# Altium PCB CC_V1.4.PcbDoc (part 6 of 8) (continued)
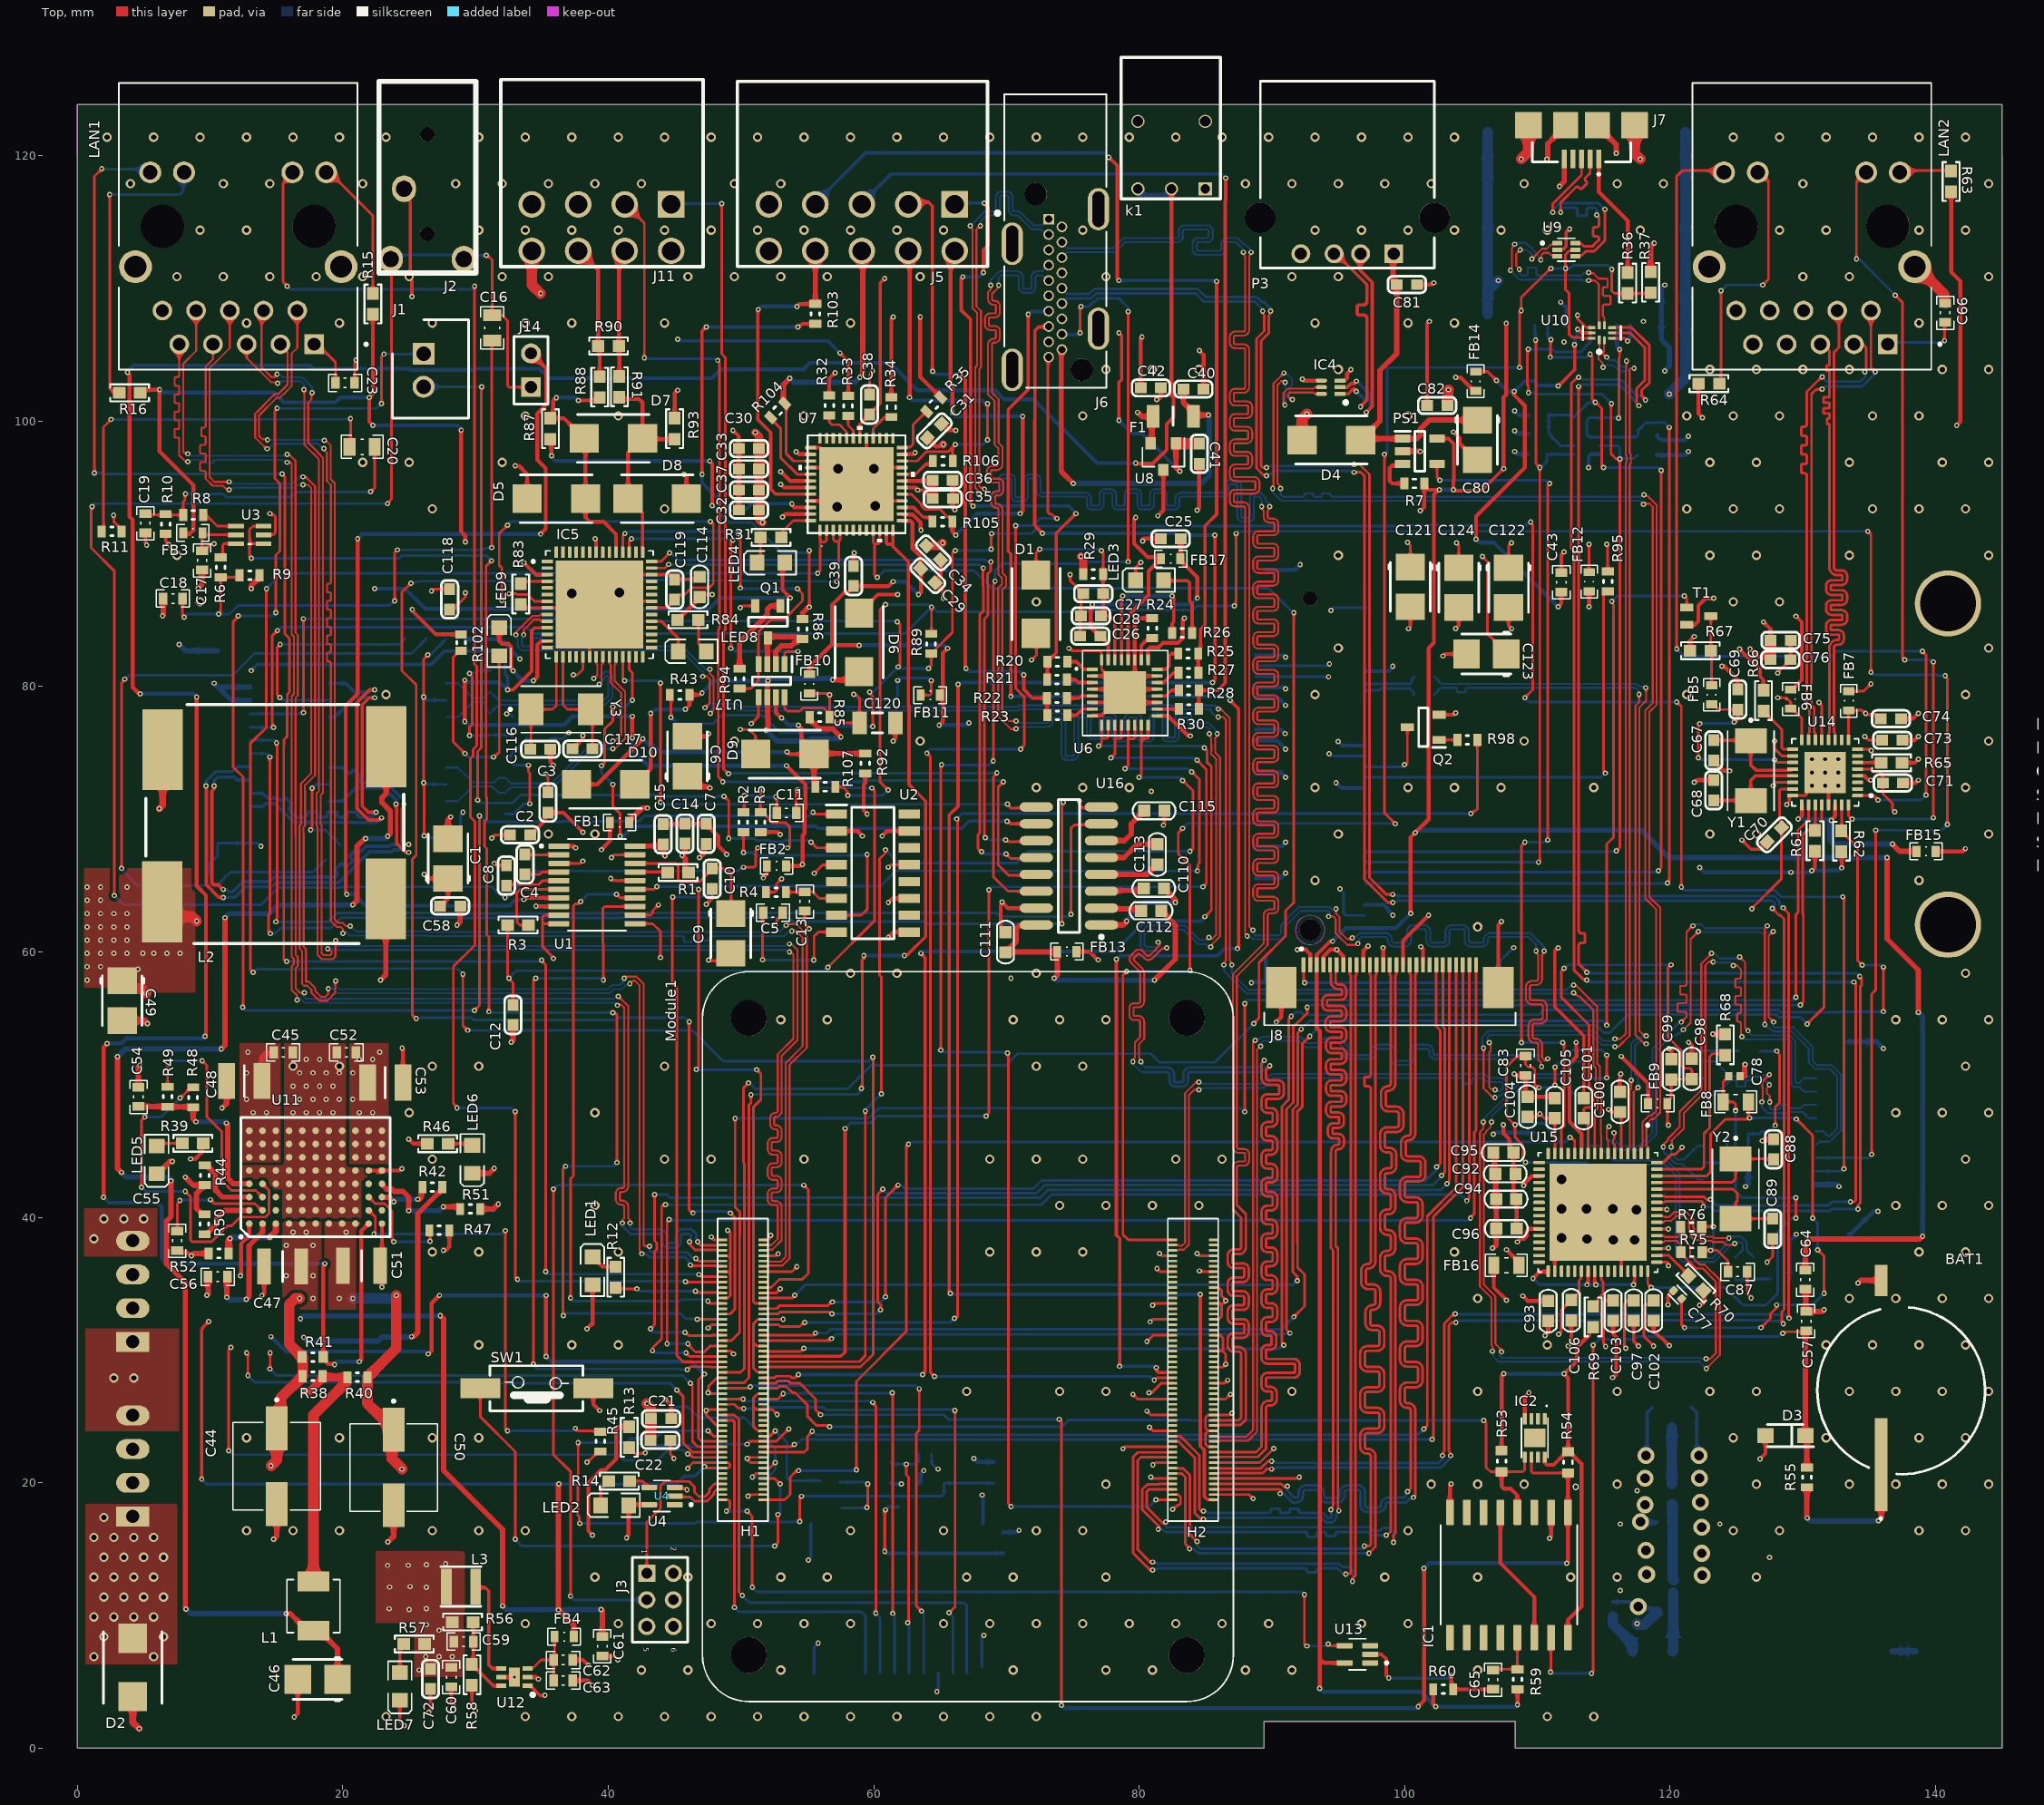
[diagram p0: Top view]
## Nets (pads, with @x,y where several pads share a name; then routed paths per layer and width w, separated by ;. In a path a pad name is that pad's centre, name@x,y a point inside that pad or via, vN(x,y) a via of type N, cw(c..) or ccw(c..) an arc to the next point about the centre after c; other vN are vias at no path point) (continued)
NetC110_2: C110.2 U16.1 | length 7.7
  Top w0.4: U16.1@77.15,62.03 78.808,62.03 79.042,62.264 v1(79.042,62.327) ; C110.2@81.867,64.78 82.73,63.917 v1(82.73,63.725)
  Bottom w0.4: v1(79.042,62.327) 80.44,63.725 v1(82.73,63.725)
NetC112_1: C112.1 U16.2 | length 3.1
  Top w0.4: U16.2@77.15,63.3 77.207,63.243 79.993,63.243 C112.1@80.136,63.1
NetC113_1: C113.1 U16.4 | length 4.5
  Top w0.4: U16.4@77.15,65.84 80.615,65.84 C113.1@81.363,66.588
NetC113_2: C113.2 U16.5 | length 4.6
  Top w0.4: U16.5@77.15,67.11 78.852,67.11 79.854,68.112 C113.2@81.363,68.112
NetC115_1: C115.1 U16.6 | length 4.6
  Top w0.4: U16.6@77.15,68.38 78.891,68.38 79.399,68.888 79.399,69.658 C115.1@80.373,70.632
NetC116_1: C116.1 IC5.15 Y3.1 | length 8.7
  Top w0.2: C116.1@34.113,75.275 34.175,75.337 Y3.1@34.175,78.275 35.8,78.275 36.085,78.56 IC5.15@36.085,82.24
NetC117_1: C117.1 IC5.16 Y3.2 | length 8.9
  Top w0.2: IC5.16@36.585,82.24 36.585,78.615 36.925,78.275 Y3.2@38.675,78.275 38.812,78.138 C117.1@38.812,75.3
NetC129_1: C129.1 L6.2 R101.2 | length 5.8
  Bottom w0.8: L6.2@120.125,17.05 120.18,16.995 120.18,12.755 C129.1@120.275,12.66 ; R101.2@120.125,18.4 120.18,18.345 L6.2@120.18,17.105
NetD6_1: D6.1 D10.2 R43.1 R85.2 U17.6 | length 36.4
  Top w0.3: D10.2@42,72.625 42.025,72.625 42.95,73.55 42.95,73.575 43.191,73.816 v1(43.191,77.976) ; v1(45.807,78.275) 46.125,78.594 R43.1@46.125,79.372 46.93,79.372 v1(47.062,79.504)
  Top w0.4: v1(51.875,76.7) 52.025,76.85 52.025,77.725 52,77.75 52,79.15 U17.6@51.975,79.175 51.975,80.375 v1(52.025,80.425) ; R85.2@55.17,77.678 55.17,77.528 55.886,76.811 56.901,76.811 v1(57.517,76.195) ; v1(56.9,80.496) 58.271,80.496 D6.1@58.9,81.125
  Bottom w0.3: v1(43.191,77.976) 43.49,78.275 v1(45.807,78.275) ; v1(47.062,79.504) 47.062,79.531 47.275,79.744 47.275,79.75 47.95,80.425 v1(52.025,80.425)
  Bottom w0.4: v1(51.875,76.7) 52.675,75.9 55.143,75.9 55.293,76.05 57.372,76.05 v1(57.517,76.195) ; v1(52.025,80.425) 52.2,80.6 56.796,80.6 v1(56.9,80.496)
NetD9_1: D9.1 D10.1 R92.1 R107.1 U17.7 | length 32.1
  Top w0.3: D10.1@37.6,72.625 39.162,72.625 v1(42.587,76.05) ; U17.7@52.625,79.175 52.625,78.028 52.982,77.671 52.995,77.671 53.024,77.642 v1(53.051,77.642) ; v1(53.458,75.058) 53.615,74.9 D9.1@55.475,74.9 ; v1(54.314,77.091) 54.55,76.855 54.55,75.825 D9.1@55.475,74.9 ; D9.1@55.5,74.9 D9.1@55.475,74.9
  Top w0.4: D9.1@55.557,74.958 D9.1@55.55,74.95 ; R107.1@55.6,72.44 55.6,72.59 55.5,72.69 D9.1@55.5,74.9 D9.1@55.55,74.95 ; R92.1@59.356,74.954 R92.1@59.36,74.95 D9.1@55.55,74.95
  Bottom w0.3: v1(42.587,76.05) 42.614,76.05 43.019,75.645 43.313,75.645 43.9,75.058 v1(53.458,75.058) ; v1(53.051,77.642) 53.602,77.091 v1(54.314,77.091)
NetFB5_1: FB5.1 R67.1 T1.C | length 5.2
  Top w0.2: T1.C@123.05,85.3 123.062,85.288 R67.1@123.062,82.7 123.125,82.637 FB5.1@123.125,80.1
NetIC1_5: IC1.5 IC1.14 | length 10.5
  Top w0.3: IC1.5@107.215,17.77 107.215,13.94 109.755,11.4 IC1.14@109.755,8.33
NetIC5_4: IC5.4 R83.1 | length 2.1
  Top w0.2: R83.1@33.4,87.75 33.575,87.925 IC5.4@35.4,87.925
NetIC5_13: IC5.13 LED9.2 | length 9.5
  Top w0.3: LED9.2@31.782,84.422 31.782,83.422 31.995,83.21 32.47,83.21 32.683,82.997 32.683,81.308 32.814,81.176 v1(32.815,81.175) ; v1(34.35,80.425) 34.646,80.721 34.646,83.14 34.916,83.41 IC5.13@35.4,83.41
  Bottom w0.3: v1(32.815,81.175) 33.565,80.425 v1(34.35,80.425)
NetIC5_33: IC5.33 LED8.2 | length 3.5
  Top w0.2: IC5.33@43.27,84.925 43.975,84.925 45.275,83.625 LED8.2@45.275,82.65
NetJ1_1: J1.1 U2.1 | length 123.4
  Top w0.2: v1(12.125,85.325) 12.125,85.275 11.75,84.9 11.75,73.913 12.481,73.182 12.481,55.856 v1(12.45,55.825) ; v1(14.95,85.55) 14.95,89.898 15.264,90.211 15.264,95.288 14.876,95.675 14.876,100.752 15.04,100.916 v1(15.04,100.97) ; v1(22.915,101.322) 22.915,104.868 v1(23.1,105.053) ; v1(29.925,55.6) 30.3,55.975 v1(30.3,70.25) ; v1(55.425,70.525) 55.57,70.38 U2.1@57.199,70.38
  Bottom w0.2: v1(12.125,85.325) 14.8,85.325 14.95,85.475 v1(14.95,85.55) ; v1(12.45,55.825) 12.675,55.6 12.85,55.6 v1(29.925,55.6) ; v1(15.04,100.97) 15.054,100.956 22.549,100.956 v1(22.915,101.322) ; v1(23.1,105.053) 26.05,105.053 J1.1@26.083,105.085 ; v1(30.3,70.25) 30.75,69.8 36.535,69.8 36.577,69.842 42.309,69.842 42.721,70.254 43.179,70.254 43.191,70.243 55.143,70.243 v1(55.425,70.525)
NetJ1_2: J1.2 U2.3 | length 66.4
  Top w0.2: v1(30.158,71.433) 30.158,75.11 30.439,75.391 30.439,102.55 v1(30.474,102.585) ; v1(48.725,71.725) 49.075,71.375 v1(49.075,68.55) ; v1(55.275,68.275) 55.71,67.84 U2.3@57.199,67.84
  Bottom w0.2: J1.2@26.083,102.585 v1(30.474,102.585) ; v1(30.158,71.433) 30.365,71.225 32.798,71.225 33.402,71.829 44.154,71.829 44.258,71.725 v1(48.725,71.725) ; v1(49.075,68.55) 51.026,68.55 51.182,68.394 52.131,68.394 52.229,68.296 53.178,68.296 53.276,68.394 55.102,68.394 55.221,68.275 v1(55.275,68.275)
NetJ4_9: J4.9 R18.1 | length 5.8
  Top w0.2: v1(59.475,18.125) 59.55,18.2 v1(59.55,19.9)
  Bottom w0.2: R18.1@57.475,20.038 59.412,20.038 v1(59.55,19.9) ; J4.9@57.58,18.115 59.465,18.115 v1(59.475,18.125)
NetJ4_10: J4.10 R17.1 | length 13.3
  Top w0.254: v1(60.825,14.825) 60.825,17.85 60.925,17.95 v1(60.875,17.95)
  Bottom w0.254: v1(60.825,14.825) 60.85,14.825 60.987,14.688 R17.1@69.75,14.688 ; v1(60.875,17.95) 60.85,17.975 61.065,18.19 J4.10@61.845,18.19
NetJ7_1: J7.1 R36.2 | length 9.5
  Top w0.3: J7.1@114.62,119.748 114.62,117.268 116.8,115.088 R36.2@116.8,111.187
NetJ12_20: J12.20 R95.1 | length 32.1
  Top w0.2: v1(115.125,73.475) 114.977,73.622 114.977,86.852 R95.1@115.3,87.175
  Bottom w0.2: J12.20@97.075,73.15 114.8,73.15 v1(115.125,73.475)
NetJ12_22: J12.22 Q2.3 | length 6
  Top w0.2: v1(99.975,74.1) 100.1,74.1 100.2,74.2 Q2.3@100.2,76.925
  Bottom w0.2: J12.22@97.075,73.95 99.825,73.95 v1(99.975,74.1)
NetJ14_2: J14.2 U1.7 | length 72.5
  Top w0.3: v1(20.3,64.35) 20.3,64.377 20.213,64.464 20.213,78.545 21.114,79.447 v1(21.114,91.125) ; v1(33.65,63.945) 33.78,64.075 U1.7@36.28,64.075 ; J14.2@34.175,105.101 35.329,103.947 35.329,101.244 34.646,100.56 34.646,97.076 35.285,96.437 35.285,91.877 v1(34.895,91.487)
  Bottom w0.3: v1(20.3,64.35) 20.837,64.35 21.702,63.486 32.564,63.486 33.004,63.926 33.631,63.926 v1(33.65,63.945) ; v1(21.114,91.125) 21.476,91.487 v1(34.895,91.487)
NetL3_1: L3.1 U12.4 | length 7.7
  Top w0.254: L3.1@30,12.175 30.075,12.1 30.725,12.1 31,11.825 31,6.275 31.275,6 U12.4@31.925,6
NetLAN1_GA: LAN1.GA R15.2 | length 10.7
  Top w0.2: LAN1.GA@18.748,118.738 19.007,118.738 22.262,115.483 R15.2@22.262,109.617
NetLAN1_YA: LAN1.YA R16.2 | length 22.2
  Top w0.2: v1(2.43,117.075) 2.43,102.444 R16.2@2.775,102.099
  Bottom w0.2: v1(2.43,117.075) 7.745,117.075 7.963,117.293 7.963,118.663 LAN1.YA@8.037,118.738
NetLAN2_GA: LAN2.GA R63.2 | length 3.9
  Top w0.2: LAN2.GA@137.302,118.87 141.137,118.87 R63.2@141.162,118.845
NetLAN2_YA: LAN2.YA R64.2 | length 19.5
  Top w0.2: R64.2@123.71,102.825 123.82,102.935 v1(123.82,109.82) ; LAN2.YA@126.592,118.87 127.403,118.06 127.403,110.683 v1(126.97,110.25)
  Bottom w0.2: v1(123.82,109.82) 124.25,110.25 v1(126.97,110.25)
NetLED1_2: LED1.2 R12.1 | length 2.1
  Top w0.25: LED1.2@38.811,37.016 39.556,36.271 R12.1@40.564,36.271
NetLED2_2: LED2.2 R14.1 | length 2.1
  Top w0.2: LED2.2@39.425,18.3 39.425,19.512 R14.1@40.038,20.125
NetLED3_1: LED3.1 R26.1 | length 5.9
  Top w0.254: LED3.1@81.829,88.014 81.88,87.963 83.649,87.963 83.798,87.814 83.798,86.425 83.981,86.242 R26.1@83.981,84.026
NetLED4_2: LED4.2 R31.1 | length 2.3
  Top w0.2: LED4.2@51.203,89.324 51.466,89.587 R31.1@51.466,91.229 R31.1@51.228,90.992
NetLED5_1: LED5.1 R39.2 | length 2
  Top w0.2: LED5.1@5.975,45.375 6.175,45.575 R39.2@7.913,45.575
NetLED6_1: LED6.1 R46.2 | length 1.9
  Top w0.254: R46.2@27.937,45.55 29.625,45.55 LED6.1@29.75,45.425
NetLED7_1: LED7.1 R57.2 | length 2.3
  Top w0.254: LED7.1@24.3,5.7 24.3,7.562 R57.2@24.588,7.85
NetLED8_1: LED8.1 R84.2 | length 2.6
  Top w0.2: R84.2@46.787,85.025 46.787,83.238 LED8.1@47.375,82.65
NetLED9_1: LED9.1 R102.2 | length 18.5
  Top w0.2: R102.2@28.915,82.681 28.79,82.681 28.312,82.202 28.312,75.841 v1(29.204,74.949) ; v1(31.343,74.68) 31.405,74.68 31.782,75.058 LED9.1@31.782,82.323
  Bottom w0.2: v1(29.204,74.949) 29.473,74.68 v1(31.343,74.68)
NetModule1_21: Module1.21 R12.2 | length 8.2
  Top w0.2: R12.2@40.589,34.696 R12.2@40.564,34.696 40.665,34.595 42.164,34.595 v1(42.164,34.62) ; v1(46.558,34.442) 46.681,34.32 Module1.21@48.584,34.32
  Bottom w0.2: v1(42.164,34.62) 42.189,34.62 42.367,34.442 v1(46.558,34.442)
NetModule1_95: Module1.95 U4.2 | length 4.2
  Top w0.2: U4.2@45,19 45.076,18.924 46.183,18.924 46.498,18.608 47.436,18.608 47.965,19.138 47.965,19.288 48.188,19.51 Module1.95@48.591,19.51
NetPS1_3: PS1.3 R7.2 | length 3.2
  Top w0.3: PS1.3@99.835,96.778 99.705,96.647 99.054,96.647 98.878,96.471 98.878,95.476 99.054,95.3 R7.2@99.975,95.3
NetQ1_1: Q1.1 R94.2 | length 6.4
  Top w0.4: R94.2@49.89,81.345 49.89,83.327 51.975,85.412 51.975,85.813 52.234,86.072 Q1.1@52.975,86.072
NetQ1_3: Q1.3 R86.2 U17.2 U17.3 | length 8.1
  Top w0.4: U17.3@51.975,81.675 51.975,81.875 51.985,81.885 51.985,83.372 52.004,83.513 Q1.3@52.025,83.672 52.11,83.757 54.45,83.757 R86.2@54.635,83.572 54.535,83.473 54.385,83.473 54.209,83.296 54.008,83.296 53.769,83.057 53.025,83.057 52.61,82.642 52.61,81.69 U17.2@52.625,81.675
NetQ2_1: Q2.1 R98.1 | length 1.4
  Top w0.2: Q2.1@102.6,75.975 R98.1@103.975,75.975
NetR1_2: R1.2 U1.17 | length 2.5
  Top w0.2: U1.17@42.02,66.025 44.425,66.025 R1.2@44.475,65.975
NetR2_2: R2.2 U2.7 | length 17.6
  Top w0.2: v1(50.175,67.475) R2.2@50.175,69.025 ; U2.7@57.199,62.76 59.06,62.76 59.5,63.2 v1(59.5,67.35)
  Bottom w0.2: v1(50.175,67.475) 50.844,67.475 51.033,67.286 59.382,67.286 59.446,67.35 v1(59.5,67.35)
NetR3_1: R3.1 U1.6 | length 6.5
  Top w0.2: R3.1@33.987,62.025 33.335,62.025 33.133,62.227 33.133,62.573 33.096,62.609 33.096,64.421 33.4,64.725 U1.6@36.28,64.725
NetR6_1: R6.1 U3.6 | length 2
  Top w0.2: R6.1@10.8,89.725 10.947,89.872 10.947,90.647 11.064,90.765 U3.6@11.959,90.765
NetR8_1: R8.1 U3.4 | length 2.8
  Top w0.2: R8.1@9.475,92.925 9.7,92.925 10.54,92.085 U3.4@11.959,92.085
NetR14_2: R14.2 U4.4 | length 1.7
  Top w0.2: R14.2@41.612,20.125 42.605,20.125 U4.4@43.08,19.65
NetR20_2: R20.2 U6.1 | length 2.1
  Top w0.254: R20.2@74.583,81.867 75.261,81.867 75.836,81.292 U6.1@76.461,81.292
NetR21_2: R21.2 U6.3 | length 2
  Top w0.254: R21.2@74.558,80.521 75.191,80.521 75.42,80.292 U6.3@76.461,80.292
NetR22_2: R22.2 U6.5 | length 2
  Top w0.254: R22.2@74.556,79.124 75.471,79.124 75.639,79.292 U6.5@76.461,79.292
NetR23_2: R23.2 U6.7 | length 2.1
  Top w0.254: R23.2@74.583,77.828 75.267,77.828 75.731,78.292 U6.7@76.461,78.292
NetR24_1: R24.1 U6.26 | length 2.2
  Top w0.254: U6.26@80.162,81.993 80.162,83.104 80.703,83.645 R24.1@80.982,83.645
NetR25_1: R25.1 U6.24 | length 2.5
  Top w0.254: U6.24@81.363,81.292 82.008,81.292 82.252,81.537 82.252,82.299 82.43,82.477 R25.1@82.938,82.477
NetR26_2: R26.2 U6.29 | length 11.6
  Top w0.254: U6.29@78.662,81.993 78.662,86.735 v1(78.747,86.82) ; R26.2@82.481,84.026 82.481,84.745 82.595,84.859 82.595,86.666 82.481,86.78 v1(82.481,86.82)
  Bottom w0.254: v1(78.747,86.82) 82.43,86.82 82.481,86.769 v1(82.481,86.82)
NetR27_1: R27.1 U6.22 | length 1.9
  Top w0.254: U6.22@81.363,80.292 81.846,80.292 82.583,81.029 R27.1@82.962,81.029
NetR28_1: R28.1 U6.20 | length 1.8
  Top w0.254: U6.20@81.363,79.292 82.014,79.292 82.43,79.708 R28.1@82.988,79.708
NetR30_1: R30.1 U6.18 | length 1.6
  Top w0.254: U6.18@81.363,78.292 82.97,78.292 R30.1@82.989,78.311
NetR31_2: R31.2 U7.48 | length 2.9
  Top w0.2: R31.2@53.041,91.229 53.125,91.314 53.125,91.683 53.935,92.493 U7.48@55.246,92.493
NetR32_1: R32.1 U7.32 | length 2.6
  Top w0.2: R32.1@56.65,100.425 56.65,99.925 56.85,99.725 57.425,99.725 57.951,99.199 U7.32@57.951,98.698
NetR33_1: R33.1 U7.31 | length 1.9
  Top w0.2: R33.1@58.075,100.4 58.075,99.675 58.451,99.299 U7.31@58.451,98.698
NetR34_1: R34.1 U7.28 | length 2.5
  Top w0.2: U7.28@59.951,98.698 59.951,99.426 60.825,100.3 R34.1@61.325,100.3
NetR35_2: R35.2 U7.24 | length 3.8
  Top w0.2: U7.24@62.155,97.993 62.182,98.02 62.729,98.02 62.968,98.259 62.968,99.718 63.964,100.714 R35.2@63.989,100.714
NetR42_1: R42.1 U11.L3 | length 4.1
  Top w0.4: U11.L3@22.95,41.525 22.969,41.506 23.519,41.506 v1(23.85,41.175) ; v1(25.654,41.354) 25.763,41.354 25.9,41.491 25.9,42.025 26,42.125 R42.1@26,42.275
  Bottom w0.4: v1(23.85,41.175) 24.029,41.354 v1(25.654,41.354)
NetR44_2: R44.2 U11.A3 | length 5.1
  Top w0.4: R44.2@9.6,43.925 9.7,43.825 9.85,43.825 10.416,43.259 10.416,42.034 10.925,41.525 U11.A3@12.95,41.525
NetR45_1: R45.1 U11.K2 | length 34.4
  Top w0.2: U11.K2@21.95,40.525 22.45,40.025 22.45,38.911 22.346,38.807 v1(22.346,38.753) ; v1(32.25,38.997) 32.25,24.05 v1(32.4,23.9) ; v1(37.525,24.1) 37.525,24.075 37.7,23.9 39.35,23.9 R45.1@39.4,23.85
  Bottom w0.2: v1(22.346,38.753) 32.006,38.753 v1(32.25,38.997) ; v1(32.4,23.9) 37.325,23.9 v1(37.525,24.1)
NetR47_1: R47.1 U11.K3 | length 8.2
  Top w0.2: U11.K3@21.95,41.525 22.45,41.025 23.157,41.025 23.703,40.479 23.703,38.272 v1(23.825,38.15) ; R47.1@26.525,39.025 26.575,38.975 v1(26.575,38.199)
  Bottom w0.2: v1(23.825,38.15) 23.85,38.175 26.551,38.175 v1(26.575,38.199)
NetR48_2: R48.2 U11.B4 | length 26.7
  Top w0.2: v1(4.828,42.273) 4.828,47.313 v1(5.087,47.573) ; v1(7.75,48.993) 7.767,48.993 8.575,49.8 R48.2@8.725,49.8 ; v1(8.132,41.95) 8.525,41.556 8.525,38.272 8.622,38.175 10.129,38.175 11.324,39.37 11.639,39.37 12.293,40.025 14.157,40.025 14.45,40.318 14.45,42.025 U11.B4@13.95,42.525
  Bottom w0.2: v1(4.828,42.273) 5.15,41.95 v1(8.132,41.95) ; v1(5.087,47.573) 6.33,47.573 v1(7.75,48.993) v1@7.75,48.845
NetR49_1: R49.1 U11.B3 | length 17.7
  Top w0.2: R49.1@6.8,49.825 v1(6.8,51.7) ; v1(9.401,51.8) 9.751,51.45 9.751,47.574 10.875,46.45 10.875,42.769 11.619,42.025 13.45,42.025 U11.B3@13.95,41.525
  Bottom w0.2: v1(6.8,51.7) 6.9,51.8 v1(9.401,51.8)
NetR50_2: R50.2 U11.A2 | length 4.4
  Top w0.4: R50.2@9.575,38.725 9.725,38.725 10.472,39.472 10.472,39.878 11.12,40.525 U11.A2@12.95,40.525
NetR51_2: R51.2 U11.L4 | length 7.6
  Top w0.4: U11.L4@22.95,42.525 22.95,42.498 23.05,42.398 23.05,42.359 23.285,42.125 23.703,42.125 23.878,41.95 24.53,41.95 24.975,41.505 v1(24.975,40.5) v1@24.975,40.475 ; v1(27.575,40.8) 28.675,40.8 R51.2@28.85,40.625
  Bottom w0.4: v1(24.975,40.5) 27.275,40.5 v1(27.575,40.8)
NetR52_1: R52.1 U11.C1 | length 5.4
  Top w0.5: R52.1@11.4,37.275 11.4,38.3 v1(11.5,38.4) ; v1(14.5,38.5) 14.95,38.95 U11.C1@14.95,39.525
  Bottom w0.5: v1(11.5,38.4) 11.6,38.5 v1(14.5,38.5)
NetR65_2: R65.2 U14.6 | length 1.8
  Top w0.254: U14.6@134.12,74.275 135.863,74.275 R65.2@135.888,74.25
NetR66_2: R66.2 U14.17 | length 4.2
  Top w0.2: R66.2@127.025,78.15 128.408,76.767 128.408,75.392 128.525,75.275 U14.17@129.23,75.275
NetR68_1: R68.1 U15.63 | length 13.4
  Top w0.2: U15.63@118.995,43.625 122.375,43.625 122.55,43.8 122.55,46.31 122.974,46.734 122.974,52.124 123.175,52.325 124.038,52.325 R68.1@124.15,52.213
NetR69_1: R69.1 U15.41 | length 3
  Top w0.2: R69.1@114.198,33.287 114.543,33.632 114.543,33.84 114.95,34.247 114.95,35.153 114.81,35.293 U15.41@114.81,35.94
NetR70_2: R70.2 U15.50 | length 2.7
  Top w0.2: U15.50@118.995,37.125 118.997,37.123 119.909,37.123 121.148,35.884 R70.2@121.148,35.85
NetR71_2: R71.2 T2.15 | length 3.7
  Bottom w0.2: T2.15@122.5,44.12 123.8,44.12 124.275,44.595 R71.2@124.275,46.3
NetR72_2: R72.2 T2.10 | length 7.8
  Bottom w0.2: T2.10@122.5,50.47 121.167,50.47 120.838,50.8 120.838,52.433 120.955,52.55 R72.2@125.175,52.55
NetR77_2: R77.2 T3.15 | length 17.6
  Top w0.2: v1(15.268,79.177) 15.04,79.405 15.04,82.937 v1(15.278,83.175)
  Bottom w0.2: v1(15.268,79.177) 15.288,79.157 15.288,79.153 15.465,78.975 T3.15@19.022,78.975 ; v1(15.278,83.175) 24.254,83.175 R77.2@24.679,83.6
NetR78_2: R78.2 T3.10 | length 7.4
  Top w0.2: v1(17.57,69.185) 17.675,69.29 v1(17.675,72.332)
  Bottom w0.2: v1(17.57,69.185) 18.693,69.185 R78.2@19.812,68.066 ; v1(17.675,72.332) 17.675,72.308 17.993,72.625 T3.10@19.022,72.625
NetR103_1: R103.1 U7.46 | length 29.6
  Top w0.254: v1(47.062,95.981) 47.062,106.782 v1(47.375,107.095) ; v1(53.828,93.771) 53.828,93.679 54.015,93.493 U7.46@55.246,93.493 ; v1(54.279,107.095) 54.371,107.095 54.603,107.327 R103.1@55.6,107.327
  Bottom w0.254: v1(47.062,95.981) 47.062,95.372 49.209,93.225 50.25,93.225 50.796,93.771 v1(53.828,93.771) ; v1(47.375,107.095) v1(54.279,107.095)
NetR104_1: R104.1 U7.41 | length 6.1
  Top w0.2: R104.1@52.234,100.272 52.234,100.194 52.975,99.453 52.975,97.249 54.23,95.993 U7.41@55.246,95.993
NetR105_2: R105.2 U7.15 | length 2.8
  Top w0.254: U7.15@62.155,93.493 62.994,93.493 63.739,92.748 64.247,92.748 64.42,92.575 R105.2@64.42,92.425
NetR106_2: R106.2 U7.20 | length 2.7
  Top w0.254: U7.20@62.155,95.993 63.152,95.993 63.917,96.758 64.276,96.758 64.449,96.931 R106.2@64.449,96.993
NPRIBOOT: J3.1 Module1.93 | length 13.1
  Top w0.2: J3.1@42.9,13.175 42.9,17.051 43.925,18.076 43.925,19.746 44.279,20.1 46.089,20.1 46.494,19.695 46.494,19.296 46.832,18.958 47.291,18.958 47.615,19.283 47.615,19.526 48,19.91 Module1.93@48.591,19.91
nRTC_INT: C65.2 IC1.13 R59.1 | length 4.3
  Top w0.2: C65.2@106.655,5.885 106.72,5.95 R59.1@108.485,5.95 ; R59.1@108.5,5.935 R59.1@108.485,5.95 ; IC1.13@108.5,8.315 IC1.13@108.485,8.33 R59.1@108.485,5.95
PCM_CLK: Module1.49 U1.13 | length 56.9
  Top w0.2: v1@34.4,28.925 v1(34.35,28.925) 34.35,57.85 v1(34.525,58.025) ; v1(39.639,57.875) 39.639,60.595 39.6,60.634 39.6,63.3 39.725,63.425 U1.13@42.02,63.425 ; v1(45.95,28.516) 45.97,28.516 46.202,28.748 47.655,28.748 47.692,28.71 Module1.49@48.591,28.71
  Bottom w0.2: v1(34.35,28.925) 34.325,28.9 34.65,28.575 45.35,28.575 45.409,28.516 v1(45.95,28.516) ; v1(34.525,58.025) 39.435,58.025 39.585,57.875 v1(39.639,57.875)
PCM_Data: Module1.25 U1.14 | length 46.5
  Top w0.2: v1(37.15,33.925) 37.15,42.9 37.375,43.125 37.375,63.476 37.506,63.607 37.679,63.607 37.859,63.787 v1(37.913,63.787) ; v1(40.625,64.35) 40.9,64.075 U1.14@42.02,64.075 ; v1(47.5,33.675) 47.665,33.51 Module1.25@48.591,33.51
  Bottom w0.2: v1(37.15,33.925) 37.4,33.675 45.367,33.675 45.496,33.804 47.371,33.804 v1(47.5,33.675) ; v1(37.913,63.787) 38.476,64.35 v1(40.625,64.35)
PCM_FS: Module1.26 U1.15 | length 41.8
  Top w0.2: U1.15@42.02,64.725 43.45,64.725 v1(43.65,64.925) ; v1(46.625,51.15) 46.8,51.325 v1(46.8,64.725) ; v1(51.175,51.125) 51.5,50.8 51.5,48.875 50.949,48.324 50.949,38.216 50.947,38.214 50.947,33.628 51.065,33.51 Module1.26@51.671,33.51
  Bottom w0.2: v1(43.65,64.925) 46.6,64.925 v1(46.8,64.725) ; v1@46.625,51.125 v1(51.175,51.125)
Power_switch: k1.5 k1.6 R41.1 U11.K1 | length 221.3
  Top w0.3: v1(1.975,41.517) 1.975,52.829 v1(2.246,53.1) ; v1(3.775,103.667) 3.775,103.64 3.923,103.493 3.923,92.8 4.173,92.55 4.173,79.945 4.621,79.497 4.65,79.497 4.7,79.447 v1(4.727,79.447) ; v1(8.988,79.193) 8.988,64.964 9.688,64.264 9.688,62.615 9.688,53.735 9.613,53.66 v1(9.613,53.632) ; v1(18.64,36.508) 18.64,36.365 18.525,36.25 R41.1@18.525,29.475 18.775,29.225 18.775,29.055 18.892,28.938 19.337,28.938 v1(19.375,28.9) ; v1(21.246,29.12) 21.38,29.254 21.38,38.955 U11.K1@21.95,39.525 ; v1(79.729,96.838) 79.789,96.778 80.998,96.778 81.291,97.07 81.302,97.07 82.065,97.833 82.065,99.771 82.583,100.289 82.583,101.778 82.435,101.926 k1.5@82.435,117.05
  Bottom w0.3: v1(1.975,41.517) 2.392,41.1 6.035,41.1 6.345,40.79 6.345,36.902 6.74,36.508 v1(18.64,36.508) ; v1(2.246,53.1) 3.32,53.1 3.704,53.484 6.425,53.484 9.464,53.484 v1(9.613,53.632) ; v1(3.775,103.667) 3.775,103.722 3.988,103.934 3.988,103.942 4.227,104.182 17.53,104.182 17.765,103.947 24.999,103.947 25.09,103.856 29.894,103.856 29.985,103.947 34.79,103.947 35.022,103.715 35.092,103.715 35.329,103.479 35.329,103.408 35.512,103.225 47.804,103.225 48.479,103.9 54.702,103.9 55.19,104.388 61.217,104.388 63.28,102.325 69.145,102.325 69.84,101.63 72.035,101.63 76.828,96.838 v1(79.729,96.838) ; v1(4.727,79.447) 8.733,79.447 v1(8.988,79.193) ; v1(19.375,28.9) 19.595,29.12 v1(21.246,29.12) ; k1.6@79.895,117.05 k1.5@82.435,117.05
PRTCTL2: PS1.4 U15.14 | length 65.2
  Top w0.2: PS1.4@102.435,96.778 102.435,95.797 102.63,95.602 v1(102.63,95.548) ; v1(108.8,53.175) 108.8,68 109.05,68.25 v1(109.05,68.275) ; v1(110.775,68.425) 110.775,95.15 v1(110.925,95.3) ; U15.14@111.81,44.81 111.81,46.695 112.017,46.902 112.017,53.058 111.907,53.168 v1(111.893,53.168)
  Bottom w0.2: v1(102.63,95.548) 110.623,95.548 110.871,95.3 v1(110.925,95.3) ; v1(108.8,53.175) 108.804,53.171 111.889,53.171 v1(111.893,53.168) ; v1(109.05,68.275) 110.625,68.275 v1(110.775,68.425)
PWM0_0: Module1.31 U3.1 U3.3 | length 105.8
  Top w0.2: v1(13.1,89.65) 12.975,89.775 12.975,90.95 ; U3.1@14.041,90.765 13.16,90.765 12.975,90.95 ; U3.3@14.041,92.085 13.235,92.085 12.975,91.825 12.975,90.95 ; v1(31,55.5) 31,61.155 30.851,61.304 30.851,67.785 30.675,67.962 30.675,69.841 30.854,70.021 30.854,71.632 30.789,71.697 30.789,89.059 v1(31.203,89.473) ; v1(36.625,32.6) 36.596,32.629 36.596,43.671 v1(36.775,43.85) ; v1(40.352,55.428) 40.356,55.424 40.501,55.424 40.65,55.275 v1(40.65,44.125) ; v1(46.7,32.32) Module1.31@48.584,32.32
  Bottom w0.2: v1(13.1,89.65) 24.238,89.65 24.467,89.878 30.797,89.878 v1(31.203,89.473) ; v1(31,55.5) 31.072,55.428 v1(40.352,55.428) ; v1(36.625,32.6) 36.625,32.575 36.81,32.76 45.431,32.76 45.832,32.36 46.66,32.36 v1(46.7,32.32) ; v1(36.775,43.85) 40.375,43.85 v1(40.65,44.125)
Reserved: Module1.76 R18.2 | length 7.6
  Top w0.2: Module1.76@51.671,23.51 52.184,23.51 v1(52.573,23.9)
  Bottom w0.2: v1(52.573,23.9) 52.6,23.9 53.446,23.054 53.446,20.354 53.65,20.15 R18.2@55.963,20.15
RS232_3.3V: C111.2 C112.2 FB13.1 U16.16 | length 23.7
  Top w0.4: C111.2@69.925,59.966 C111.2@69.955,59.995 ; U16.16@72.25,62.03 72.193,61.973 70.967,61.973 70.732,61.738 70.732,60.773 C111.2@69.955,59.995 ; v1(73.598,58.02) 73.823,58.245 FB13.1@73.823,60.025 73.793,59.995 C111.2@69.955,59.995 ; v1(81.136,57.865) 82.724,59.453 82.724,62.035 C112.2@81.66,63.1
  Bottom w0.4: v1(73.598,58.02) 73.753,57.865 v1(81.136,57.865)
RS232_RX2: J10.6 U16.8 | length 89.1
  Top w0.2: v1(14.495,74.68) 14.495,62.867 14.404,62.776 14.404,61.516 v1(14.54,61.383) v1(14.54,61.383) ; v1(74.17,62.118) 74.17,71.15 v1(74.283,71.262) ; v1(75.49,71.368) 75.49,71.098 75.743,70.845 77.075,70.845 U16.8@78.343,70.845
  Bottom w0.2: J10.6@13.007,74.949 14.226,74.949 v1(14.495,74.68) ; v1(14.54,61.383) 14.885,61.383 15.32,61.817 19.117,61.817 19.879,62.579 28.832,62.579 28.855,62.556 40.989,62.556 41.012,62.579 53.146,62.579 53.171,62.553 53.63,62.553 53.883,62.3 63.908,62.3 64.091,62.118 v1(74.17,62.118) ; v1(74.283,71.262) 74.453,71.433 75.425,71.433 v1(75.49,71.368)
RS232_RX3: J11.2 U16.13 | length 80.6
  Top w0.2: J11.2@41.25,116.383 42.717,114.915 v1(42.717,104.763) ; v1(48.25,104.575) 48.25,104.521 48.379,104.392 48.379,84.339 48.287,84.247 48.287,73.194 48.625,72.857 v1(48.625,72.825) ; v1(69.775,72.825) 69.371,72.421 69.371,66.554 70.16,65.765 U16.13@72.175,65.765
  Bottom w0.2: v1(42.717,104.763) 42.78,104.7 48.125,104.7 v1(48.25,104.575) ; v1(48.625,72.825) 59.119,72.825 59.2,72.906 69.64,72.906 69.721,72.825 v1(69.775,72.825)
RS232_TX2: J10.5 U16.7 | length 84.9
  Top w0.2: v1@14.948,62.262 v1(14.958,62.272) 15.049,62.364 15.049,75.716 v1(15.003,75.763) ; v1(74.848,62.825) 74.848,69.31 75.112,69.575 U16.7@77.075,69.575
  Bottom w0.2: J10.5@13.007,75.949 14.866,75.949 15.028,75.787 v1(15.003,75.763) ; v1(14.958,62.272) 14.98,62.25 18.907,62.25 19.586,62.929 28.977,62.929 29,62.906 40.844,62.906 40.867,62.929 69.238,62.929 69.496,62.671 73.671,62.671 73.672,62.67 73.939,62.67 73.941,62.672 74.399,62.672 74.401,62.67 74.705,62.67 74.86,62.825 v1(74.848,62.825)
RS232_TX3: J11.1 U16.14 | length 78.9
  Top w0.2: v1(48.535,116.383) 48.535,105.073 48.804,104.804 48.804,84.269 48.682,84.147 48.682,73.789 v1(49.05,73.421) ; v1(69.275,73.5) 69.275,73.45 69.021,73.196 69.021,65.656 70.107,64.57 U16.14@72.25,64.57
  Bottom w0.2: J11.1@44.75,116.383 v1(48.535,116.383) ; v1(49.05,73.421) 49.104,73.421 49.154,73.471 69.246,73.471 v1(69.275,73.5)
RS485_3.3V: C120.1 FB10.1 FB11.1 R85.1 R86.1 R87.2 U17.8 | length 53.7
  Top w0.2: U17.8@53.35,79.25 U17.8@53.275,79.175 53.275,78.369 53.505,78.138 54.42,78.138 54.659,78.378 56.24,78.378 56.47,78.147 56.47,77.878 R85.1@56.67,77.678 ; FB10.1@55.143,79.475 56.513,79.475 56.616,79.372 v1(56.67,79.372) R85.1@56.67,77.678 ; v1(55.143,85.983) v1(55.143,90.25) ; v1(58.48,79.41) 58.518,79.372 58.679,79.372 58.925,79.126 C120.1@58.925,77.25 57.711,77.25 57.634,77.328 56.87,77.328 56.67,77.528 R85.1@56.67,77.678 ; FB11.1@63.525,79.35 64.208,79.35 64.325,79.467 v1(64.325,80.45)
  Top w0.3: R87.2@35.637,98.638 35.708,98.567 35.708,97.394 v1(35.728,97.375) ; v1(47.643,96.993) 47.643,96.966 47.825,96.784 v1(47.825,93.625)
  Top w0.4: R86.1@54.635,85.073 54.621,85.087 54.621,85.525 55.078,85.983 v1(55.143,85.983)
  Bottom w0.2: v1(47.825,93.625) 49.094,92.356 50.794,92.356 53.075,90.075 54.82,90.075 54.842,90.053 54.945,90.053 v1(55.143,90.25) ; v1(58.48,79.41) 58.903,78.987 61.529,78.987 61.803,79.262 v1(61.803,80.454) 61.824,80.475 61.9,80.475 62.05,80.625 64.15,80.625 v1(64.325,80.45)
  Bottom w0.3: v1(35.728,97.375) 35.728,97.276 36.01,96.993 v1(47.643,96.993)
RS485A: D7.1 D8.1 IC5.43 R91.2 R93.2 | length 16.8
  Top w0.254: D8.1@41.485,94.152 41.51,94.152 42.585,93.077 IC5.43@42.585,90.11
  Top w0.3: R91.2@40.835,101.798 40.975,101.658 42.327,101.658 42.585,101.4 42.585,98.83 D7.1@42.585,98.698 ; D8.1@41.485,94.152 41.485,97.623 42.56,98.698 D7.1@42.585,98.698 ; D7.1@42.717,98.83 D7.1@42.585,98.698 ; R93.2@45,98.638 42.644,98.638 D7.1@42.585,98.698
RS485A_Bridge: J9.3 J10.3 R43.2 R89.1 | length 214.9
  Top w0.2: v1(17.023,85.1) 17.095,85.028 17.037,84.97 v1(17.037,78.025) ; R43.2@44.625,79.372 44.725,79.272 44.725,77.676 v1(44.72,77.671) ; v1(59.675,79.571) 59.675,79.517 59.929,79.263 v1(59.929,76.975) ; v1(61.775,84.872) 61.96,84.687 61.96,81.644 61.846,81.529 v1(61.846,81.475) ; v1(64.125,81.35) 64.125,81.41 64.325,81.61 R89.1@64.325,82.475 64.475,82.475 64.675,82.675 64.675,82.825 65.92,84.07 65.92,90.053 66.117,90.25 v1(66.134,90.25) ; v1(68.85,90.35) 68.85,91.391 68.871,91.412 v1(68.871,91.525) ; v1(109.05,79.15) 109.65,79.75 109.65,92.176 109.492,92.333 v1(109.492,92.388) ; v1(120.492,78.831) 120.838,78.486 v1(120.838,64.88) ; v1(133.006,64.149) 133.006,64.095 133.095,64.006 v1(133.095,43.647)
  Bottom w0.2: J10.3@13.007,77.949 16.884,77.949 16.96,78.025 v1(17.037,78.025) ; v1(17.023,85.1) 42.284,85.1 42.454,84.93 v1@61.814,84.93 ; v1(44.72,77.671) 44.759,77.671 45.227,77.203 47.906,77.203 48.548,77.846 51.626,77.846 52.935,76.537 56.568,76.537 57.005,76.975 v1(59.929,76.975) ; v1(59.675,79.571) 59.713,79.609 59.98,79.609 v1(61.846,81.475) 61.971,81.35 v1(64.125,81.35) ; v1(66.134,90.25) 68.75,90.25 v1(68.85,90.35) ; v1(68.871,91.525) 71.896,91.525 72.471,92.1 99.56,92.1 99.63,92.17 109.134,92.17 109.313,92.349 109.454,92.349 v1(109.492,92.388) ; v1(109.05,79.15) 109.369,78.831 v1(120.492,78.831) ; v1(120.838,64.88) 121.06,64.658 127.871,64.658 128.379,64.149 v1(133.006,64.149) ; J9.3@130.994,43.476 132.924,43.476 v1(133.095,43.647)
RS485A_C: J11.7 R90.1 R91.1 | length 9.7
  Top w0.3: R91.1@40.835,103.373 40.835,105.635 R90.1@40.805,105.665 40.805,111.977 41.25,112.422 J11.7@41.25,112.882
RS485B: D5.1 D7.2 IC5.47 R87.1 R88.2 | length 18.6
  Top w0.3: v1(36.085,101.768) 35.85,101.533 35.85,100.426 R87.1@35.637,100.213 36.644,100.213 38.16,98.698 D7.2@38.185,98.698 38.285,98.598 D5.1@38.285,94.152 38.285,92.733 38.593,92.425 39.635,92.425 40.585,91.475 IC5.47@40.585,90.11 ; v1(37.75,101.55) 39.131,101.55 R88.2@39.355,101.774
  Bottom w0.3: v1(36.085,101.768) 37.532,101.768 v1(37.75,101.55)